# Altium PCB BaseBoard.PcbDoc (part 3 of 3)
Units mm, origin at the board's own origin, x right, y up, seen from the top; angles counter-clockwise.
Board outline 100 x 99.75 mm, 4 copper layers (Top Layer, Mid Layer 1, Mid Layer 2, Bottom Layer), stack 1.57 mm thick; 186 components, 158 nets, 693 pads, 406 vias.
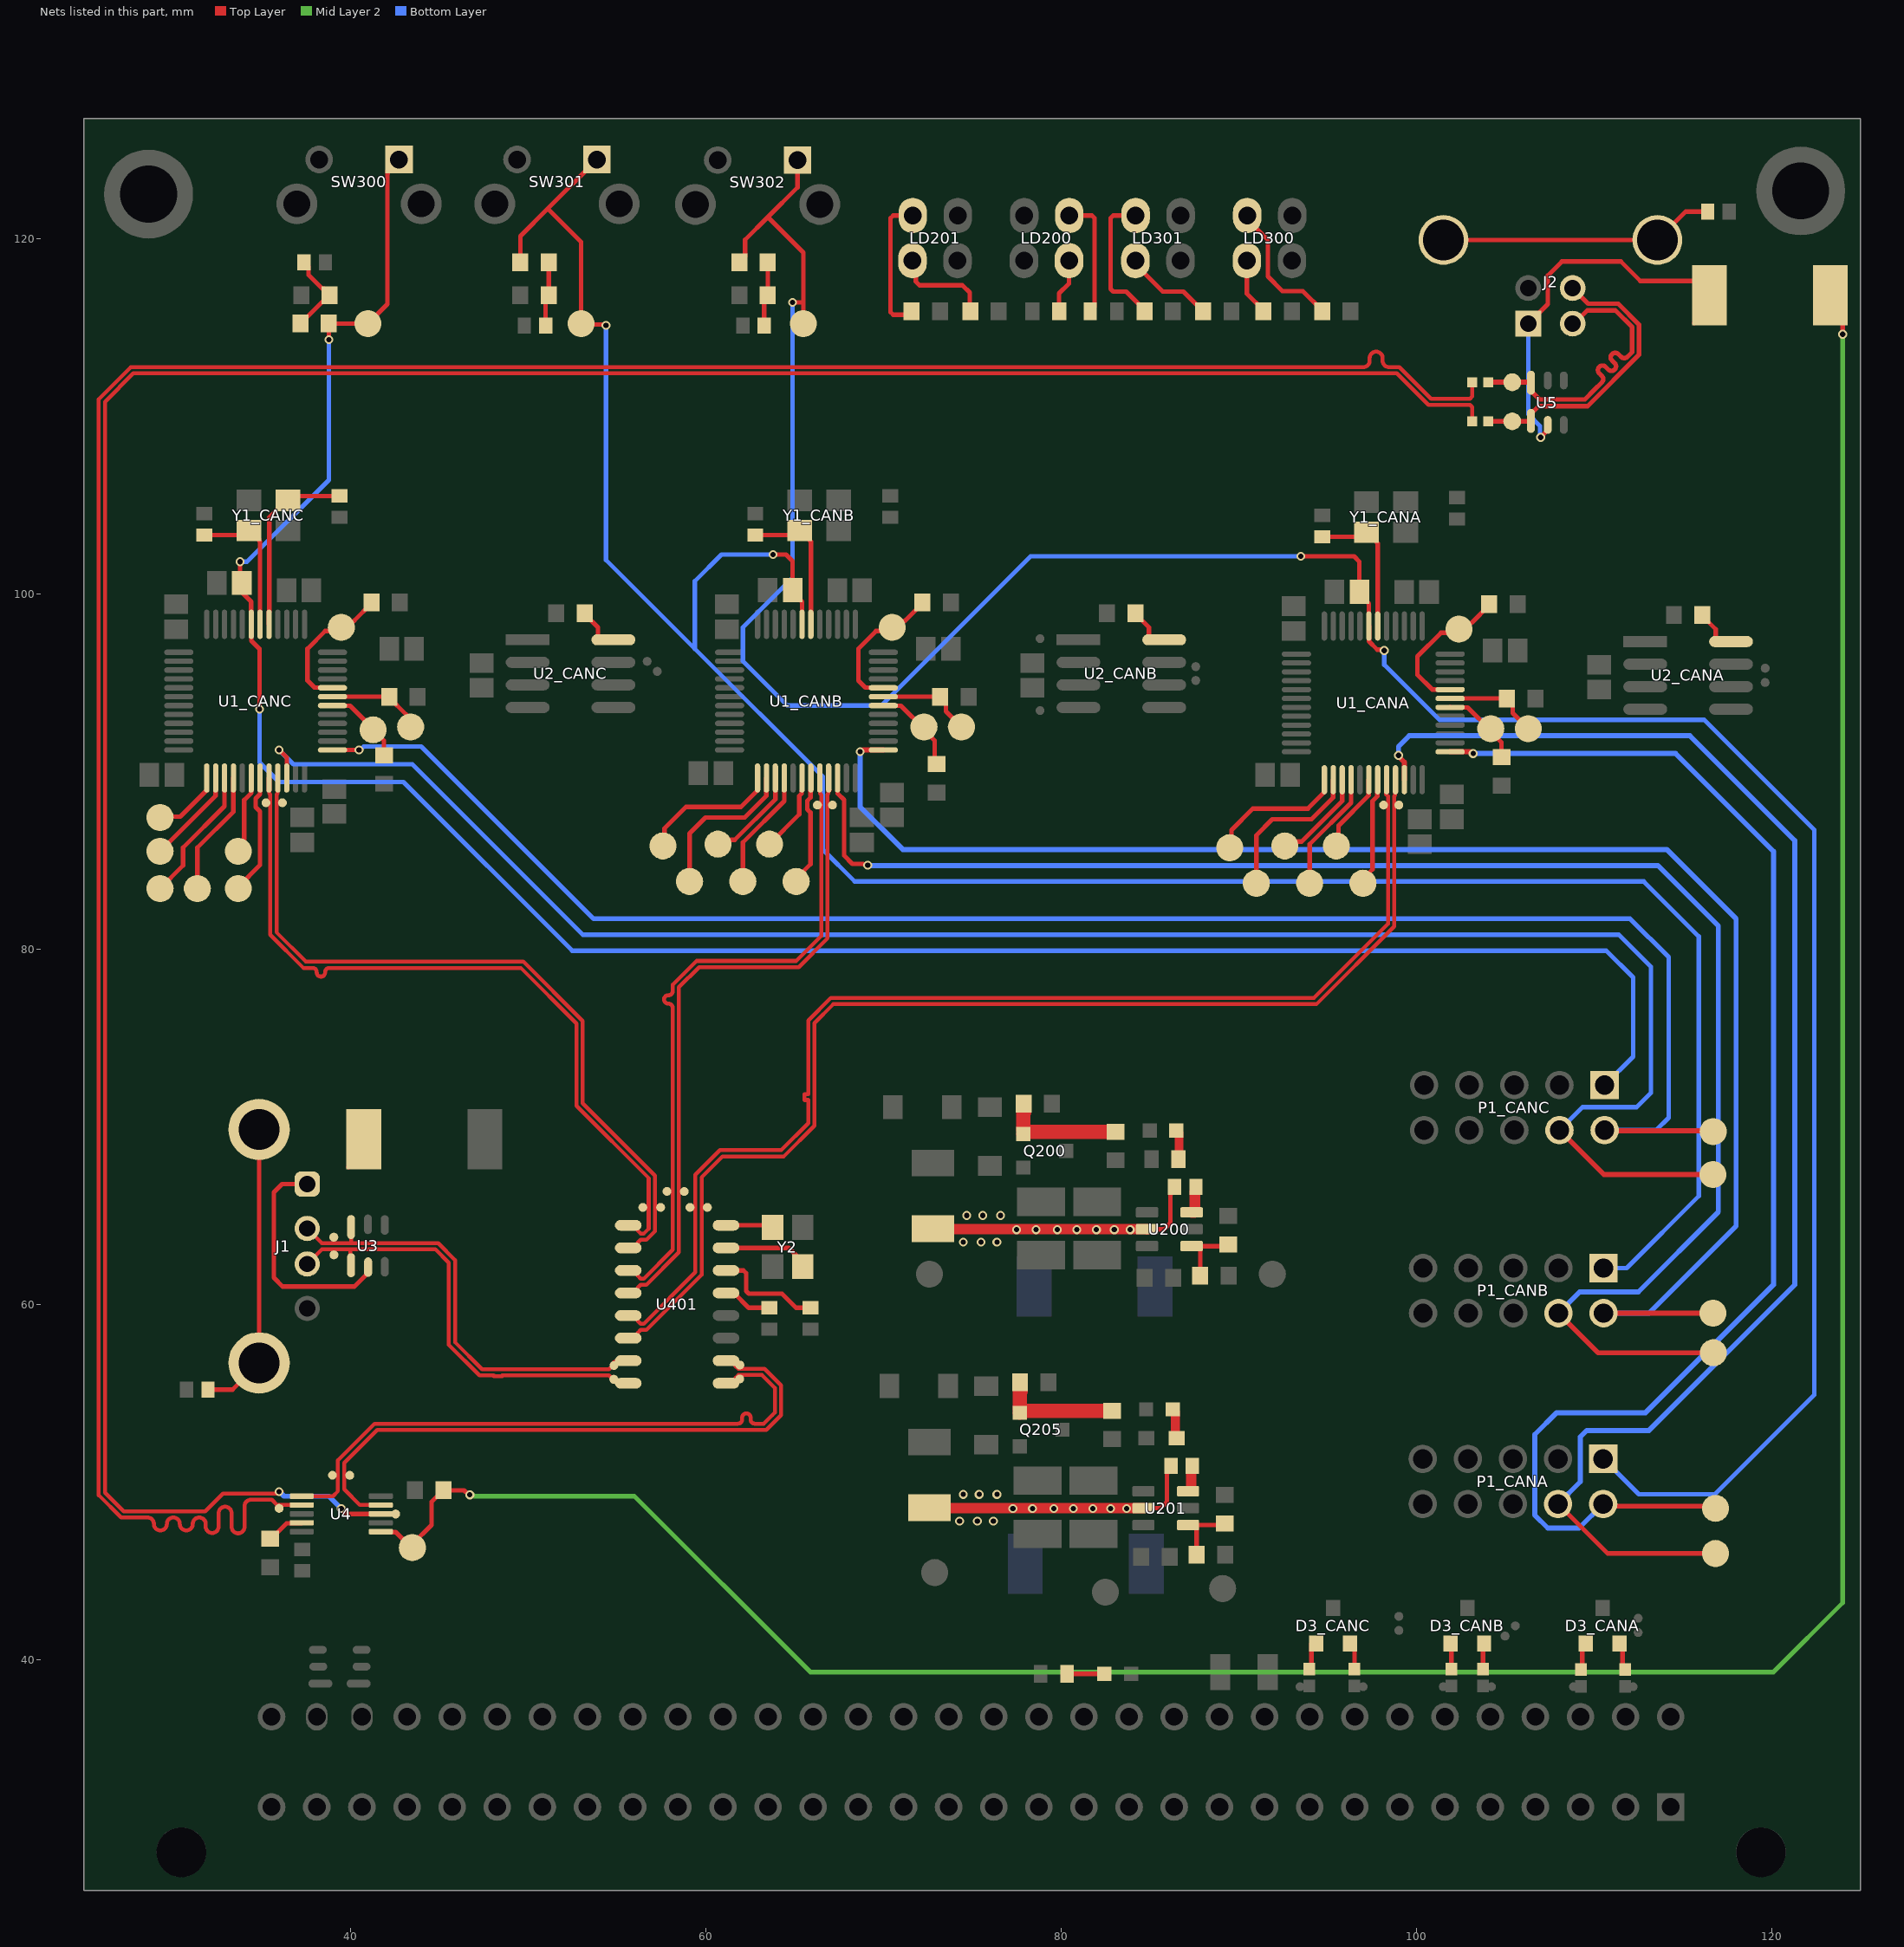
[diagram p5: the nets of this part, all layers, seen from the top]

## Via types
v1: diameter 0.5, hole 0.3, Top Layer to Bottom Layer, tented both sides, 392 vias
v2: diameter 0.5, hole 0.3, Top Layer to Bottom Layer, 14 vias

## Nets (pads, with @x,y where several pads share a name; then routed paths per layer and width w, separated by ;. In a path a pad name is that pad's centre, name@x,y a point inside that pad or via, vN(x,y) a via of type N, cw(c..) or ccw(c..) an arc to the next point about the centre after c; other vN are vias at no path point) (continued)
NetC2_CANC_1: C2_CANC.1 U1_CANC.5 Y1_CANC.1 | length 10.5
  Top Layer w0.254: U1_CANC.5@35.43,98.276 35.43,98.963 35.453,98.986 35.453,104.303 36.65,105.5 C2_CANC.1@39.4,105.5
NetC3_CANA_1: C3_CANA.1 U1_CANA.6 Y1_CANA.3 | length 8.2
  Top Layer w0.254: C3_CANA.1@94.7,103.2 96.95,103.2 Y1_CANA.3@97.2,103.45 97.3,103.45 97.773,102.977 97.773,102.885 97.83,102.828 97.83,101.562 97.831,101.561 97.831,101.039 97.83,101.038 U1_CANA.6@97.83,98.176
NetC3_CANB_1: C3_CANB.1 U1_CANB.6 Y1_CANB.3 | length 8.2
  Top Layer w0.254: C3_CANB.1@62.8,103.3 65.15,103.3 65.4,103.55 65.873,103.077 65.873,102.985 65.93,102.928 U1_CANB.6@65.93,98.276
NetC3_CANC_1: C3_CANC.1 U1_CANC.6 Y1_CANC.3 | length 8.2
  Top Layer w0.254: C3_CANC.1@31.8,103.3 34.05,103.3 Y1_CANC.3@34.3,103.55 34.4,103.55 34.873,103.077 34.873,102.985 34.93,102.928 U1_CANC.6@34.93,98.276
NetC11_2: C11.2 U401.14 | length 6.2
  Top Layer w0.254: U401.14@61.15,61.905 62.132,61.905 62.281,61.756 62.281,60.749 62.43,60.6 64.3,60.6 65.1,59.8 C11.2@65.9,59.8
NetC12_2: C12.2 U401.13 | length 2.8
  Top Layer w0.254: U401.13@61.15,60.635 61.6,60.635 62.435,59.8 C12.2@63.6,59.8
NetC13_2: C13.2 J1.Shell | length 16.6
  Top Layer w0.254: C13.2@32,55.2 33.372,55.2 J1.Shell@34.872,56.7 J1.Shell@34.872,69.84
NetC14_2: C14.2 J2.5 J2.6 | length 15.5
  Top Layer w0.254: J2.5@101.53,119.91 J2.6@113.57,119.91 115.16,121.5 C14.2@116.4,121.5
NetC309_1: C309.1 R302.1 R305.2 | length 4.9
  Top Layer w0.254: R305.2@37.2,115.2 37.2,115.25 37.523,115.573 37.573,115.573 38.432,116.432 38.524,116.432 38.847,116.755 R302.1@38.847,116.805 38.847,116.855 38.524,117.178 38.424,117.178 37.658,117.945 37.658,118.411 C309.1@37.41,118.659
NetC310_1: C310.1 R303.1 R306.2 | length 3.6
  Top Layer w0.254: C310.1@51,115.1 51,116.63 R303.1@51.175,116.805 R306.2@51.175,118.659
NetC311_1: C311.1 R304.1 R307.2 | length 3.6
  Top Layer w0.254: C311.1@63.3,115.1 63.3,116.6 R304.1@63.505,116.805 R307.2@63.505,118.659
NetD1_1: D1.1 J1.1 U3.5 | length 15
  Top Layer w0.254: J1.1@37.582,66.77 36.17,66.77 35.7,66.3 35.7,61.5 36.2,61 40.242,61 41.009,61.767 U3.5@41.009,62.092 ; D1.1@39.914,67.732 40.767,68.585 D1.1@40.767,69.3
NetD2_1: D2.1 R4.2 TP17.1 U4.1 | length 163.8
  Top Layer w0.254: U4.1@41.725,47.2 41.748,47.177 42.561,47.177 43.238,46.5 43.5,46.5 44.577,47.577 44.577,48.877 R4.2@44.9,49.2 ; R4.2@45.254,49.53 46.415,49.53 46.669,49.276 v1(46.736,49.276) ; D2.1@123.305,116.8 124,116.105 v1(124,114.6)
  Mid Layer 2 w0.254: v1(46.736,49.276) 46.783,49.229 46.957,49.229 46.986,49.2 56,49.2 65.9,39.3 120.1,39.3 124,43.2 v1(124,114.6)
NetD3_CANA_1: D3_CANA.1 R7_CANA.1 | length 1.6
  Top Layer w0.254: R7_CANA.1@109.271,39.439 109.337,39.504 109.337,40.707 D3_CANA.1@109.54,40.91
NetD3_CANA_2: D3_CANA.2 R6_CANA.1 | length 1.6
  Top Layer w0.254: D3_CANA.2@111.44,40.91 111.61,40.74 111.61,39.589 R6_CANA.1@111.76,39.439
NetD3_CANB_1: D3_CANB.1 R7_CANB.1 | length 1.5
  Top Layer w0.254: D3_CANB.1@101.92,40.91 101.981,40.849 R7_CANB.1@101.981,39.464
NetD3_CANB_2: D3_CANB.2 R6_CANB.1 | length 1.5
  Top Layer w0.254: R6_CANB.1@103.759,39.464 103.759,40.849 D3_CANB.2@103.82,40.91
NetD3_CANC_1: D3_CANC.1 R7_CANC.1 | length 1.7
  Top Layer w0.254: R7_CANC.1@93.98,39.591 94.105,39.716 94.105,40.887 D3_CANC.1@94.366,41.148
NetD3_CANC_2: D3_CANC.2 R6_CANC.1 | length 1.7
  Top Layer w0.254: D3_CANC.2@96.266,41.148 96.52,40.894 R6_CANC.1@96.52,39.591
NetD200_1: D200.1 R206.2 | length 2.1
  Top Layer w0.254: R206.2@80.35,39.2 D200.1@82.45,39.2
NetD201_1: D201.1 R207.2 | length 1.7
  Top Layer w0.5: D201.1@86.496,69.785 86.646,69.635 86.646,69.158 ; R207.2@86.646,68.173 86.646,69.157
NetD202_1: D202.1 R208.2 | length 1.7
  Top Layer w0.5: D202.1@86.296,54.085 86.446,53.935 86.446,53.458 ; R208.2@86.446,52.473 86.446,53.457
NetLD200_2: LD200.2 R209.2 | length 6.8
  Top Layer w0.254: LD200.2@80.472,121.286 81.751,121.286 81.9,121.137 81.9,116.422 81.898,116.42 81.898,116.148 R209.2@81.65,115.9
NetLD200_4: LD200.4 R210.2 | length 3.1
  Top Layer w0.254: R210.2@79.9,115.9 79.9,116.9 80.455,117.455 LD200.4@80.455,118.746
NetLD201_1: LD201.1 R212.2 | length 7.9
  Top Layer w0.254: R212.2@71.6,115.9 71.4,115.7 70.563,115.7 70.414,115.849 70.414,121.137 70.563,121.286 LD201.1@71.664,121.286
NetLD201_3: LD201.3 R211.2 | length 5.6
  Top Layer w0.254: LD201.3@71.647,118.746 71.832,118.562 71.832,117.568 72.041,117.359 74.46,117.359 74.868,116.951 74.868,115.932 R211.2@74.9,115.9
NetLD300_1: LD300.1 R310.2 | length 7.8
  Top Layer w0.254: LD300.1@90.481,121.286 90.481,121.086 91.645,119.922 91.645,117.855 92.465,117.035 93.615,117.035 94.7,115.95 R310.2@94.7,115.9
NetLD300_3: LD300.3 R309.2 | length 3.2
  Top Layer w0.254: LD300.3@90.464,118.746 90.464,116.886 91.4,115.95 R309.2@91.4,115.9
NetLD301_1: LD301.1 R312.2 | length 7.9
  Top Layer w0.254: LD301.1@84.208,121.286 82.949,121.286 82.8,121.137 82.8,117.149 82.949,117 83.673,117 R312.2@84.377,116.296 ; R312.2@84.377,116.273 84.726,115.924 R312.2@84.749,115.924
NetLD301_3: LD301.3 R311.2 | length 4.7
  Top Layer w0.254: LD301.3@84.33,118.408 85.738,117 86.9,117 87.627,116.273 87.677,116.273 88,115.95 R311.2@88,115.9
NetQ200_1: Q200.1 R203.2 R218.1 | length 6.2
  Top Layer w0.8: Q200.1@77.891,69.592 77.998,69.699 R218.1@83.069,69.699 ; Q200.1@77.891,69.811 77.891,70.757 R203.2@77.935,70.801
NetQ205_1: Q205.1 R216.2 R217.1 | length 6.2
  Top Layer w0.8: Q205.1@77.691,53.892 77.798,53.999 R217.1@82.869,53.999 ; Q205.1@77.691,54.111 77.691,55.057 R216.2@77.735,55.101
NetR1_CANA_2: R1_CANA.2 TP3_CANA.1 U1_CANA.42 | length 4.7
  Top Layer w0.254: U1_CANA.42@101.905,93.601 101.914,93.592 102.896,93.592 TP3_CANA.1@104.194,92.294 ; TP3_CANA.1@104.194,92.4 TP3_CANA.1@104.194,92.294 ; R1_CANA.2@104.8,90.802 104.8,91.631 104.194,92.237 TP3_CANA.1@104.194,92.294
NetR1_CANB_2: R1_CANB.2 TP3_CANB.1 U1_CANB.42 | length 4.7
  Top Layer w0.254: U1_CANB.42@70.005,93.701 70.014,93.692 70.996,93.692 TP3_CANB.1@72.294,92.394 ; TP3_CANB.1@72.294,92.5 TP3_CANB.1@72.294,92.394 ; 72.9,90.902 72.9,91.731 72.294,92.337 TP3_CANB.1@72.294,92.394
NetR1_CANC_2: R1_CANC.2 TP3_CANC.1 U1_CANC.42 | length 4.7
  Top Layer w0.254: U1_CANC.42@39.005,93.701 39.014,93.692 39.996,93.692 TP3_CANC.1@41.294,92.394 ; TP3_CANC.1@41.294,92.5 TP3_CANC.1@41.294,92.394 ; R1_CANC.2@41.9,90.902 41.9,91.731 TP3_CANC.1@41.294,92.337 TP3_CANC.1@41.294,92.394
NetR2_CANA_2: R2_CANA.2 TP4_CANA.1 U1_CANA.43 | length 5.4
  Top Layer w0.254: U1_CANA.43@101.905,94.101 R2_CANA.2@105.1,94.1 ; R2_CANA.2@105.1,94.1 105.423,93.777 105.423,93.277 TP4_CANA.1@106.3,92.4
NetR2_CANB_2: R2_CANB.2 TP4_CANB.1 U1_CANB.43 | length 5.4
  Top Layer w0.254: U1_CANB.43@70.005,94.201 R2_CANB.2@73.2,94.2 ; R2_CANB.2@73.2,94.2 73.523,93.877 73.523,93.377 TP4_CANB.1@74.4,92.5
NetR2_CANC_2: R2_CANC.2 TP4_CANC.1 U1_CANC.43 | length 5.4
  Top Layer w0.254: U1_CANC.43@39.005,94.201 R2_CANC.2@42.2,94.2 ; R2_CANC.2@42.2,94.2 42.2,94.15 43.157,93.193 43.157,92.743 TP4_CANC.1@43.4,92.5
NetR4_CANA_2: R4_CANA.2 TP11_CANA.1 U1_CANA.44 | length 8.2
  Top Layer w0.254: U1_CANA.44@101.905,94.601 101.896,94.609 100.891,94.609 100.069,95.431 100.069,96.469 101.396,97.796 TP11_CANA.1@102.196,97.796 ; TP11_CANA.1@102.4,98 102.744,98 103.123,98.379 103.129,98.379 104.1,99.35 R4_CANA.2@104.1,99.4
NetR4_CANB_2: R4_CANB.2 TP11_CANB.1 U1_CANB.44 | length 7.8
  Top Layer w0.254: U1_CANB.44@70.005,94.701 69.996,94.709 68.991,94.709 68.6,95.1 68.6,96.9 69.596,97.896 TP11_CANB.1@70.296,97.896 ; TP11_CANB.1@70.5,98.1 70.844,98.1 71.223,98.479 71.229,98.479 72.2,99.45 R4_CANB.2@72.2,99.5
NetR4_CANC_2: R4_CANC.2 TP11_CANC.1 U1_CANC.44 | length 7.8
  Top Layer w0.254: U1_CANC.44@39.005,94.701 38.996,94.709 37.991,94.709 37.6,95.1 37.6,96.9 38.596,97.896 TP11_CANC.1@39.296,97.896 ; TP11_CANC.1@39.5,98.1 39.844,98.1 40.223,98.479 40.229,98.479 41.2,99.45 R4_CANC.2@41.2,99.5
NetR5_2: R5.2 U4.9 | length 2.1
  Top Layer w0.254: R5.2@35.5,46.8 35.55,46.8 36.427,47.677 37.252,47.677 U4.9@37.275,47.7
NetTP1_CANA_1: TP1_CANA.1 U1_CANA.30 | length 4.5
  Top Layer w0.254: TP1_CANA.1@95.5,85.8 95.619,85.919 95.619,86.943 97.321,88.646 97.321,89.517 U1_CANA.30@97.33,89.526
NetTP1_CANB_1: TP1_CANB.1 U1_CANB.30 | length 4.5
  Top Layer w0.254: TP1_CANB.1@63.6,85.9 65.278,87.578 65.278,88.624 65.407,88.753 65.407,88.915 65.43,88.938 U1_CANB.30@65.43,89.626
NetTP1_CANC_1: TP1_CANC.1 U1_CANC.30 | length 4.4
  Top Layer w0.254: TP1_CANC.1@33.7,85.5 33.7,85.844 34.036,86.18 34.036,88.382 34.407,88.753 34.407,88.786 34.421,88.8 34.421,89.617 U1_CANC.30@34.43,89.626
NetTP2_CANA_1: TP2_CANA.1 U1_CANA.31 | length 6.2
  Top Layer w0.254: TP2_CANA.1@97,83.7 97,83.948 97.536,84.484 97.536,88.322 97.807,88.593 97.807,88.815 97.83,88.838 U1_CANA.31@97.83,89.526
NetTP2_CANB_1: TP2_CANB.1 U1_CANB.31 | length 6.3
  Top Layer w0.254: TP2_CANB.1@65.1,83.8 65.1,83.967 65.907,84.774 65.907,87.675 65.719,87.863 65.719,88.341 65.907,88.53 65.907,88.915 65.93,88.938 U1_CANB.31@65.93,89.626
NetTP2_CANC_1: TP2_CANC.1 U1_CANC.31 | length 6.8
  Top Layer w0.254: TP2_CANC.1@33.7,83.5 34.93,84.73 34.93,87.745 34.685,87.99 34.685,88.468 34.927,88.71 34.927,89.623 U1_CANC.31@34.93,89.626
NetTP5_CANA_1: TP5_CANA.1 U1_CANA.25 | length 7.8
  Top Layer w0.254: TP5_CANA.1@89.5,85.7 89.594,85.794 89.594,86.694 90.8,87.9 93.9,87.9 94.807,88.807 94.807,88.815 94.83,88.838 U1_CANA.25@94.83,89.526
NetTP5_CANB_1: TP5_CANB.1 U1_CANB.25 | length 7.8
  Top Layer w0.254: TP5_CANB.1@57.6,85.8 57.694,85.894 57.694,86.794 58.9,88 62,88 62.907,88.907 62.907,88.915 62.93,88.938 U1_CANB.25@62.93,89.626
NetTP5_CANC_1: TP5_CANC.1 U1_CANC.25 | length 4
  Top Layer w0.254: TP5_CANC.1@29.3,87.4 29.343,87.443 30.443,87.443 31.907,88.907 31.907,88.915 31.93,88.938 U1_CANC.25@31.93,89.626
NetTP6_CANA_1: TP6_CANA.1 U1_CANA.26 | length 8.9
  Top Layer w0.254: TP6_CANA.1@91,83.7 91,86.4 91.9,87.3 94.1,87.3 95.321,88.521 95.321,89.517 U1_CANA.26@95.33,89.526
NetTP6_CANB_1: TP6_CANB.1 U1_CANB.26 | length 8.9
  Top Layer w0.254: TP6_CANB.1@59.1,83.8 59.1,86.5 60,87.4 62.2,87.4 63.421,88.621 63.421,89.617 U1_CANB.26@63.43,89.626
NetTP6_CANC_1: TP6_CANC.1 U1_CANC.26 | length 5.4
  Top Layer w0.254: TP6_CANC.1@29.3,85.5 32.43,88.63 U1_CANC.26@32.43,89.626 U1_CANC.26@32.421,89.617
NetTP7_CANA_1: TP7_CANA.1 U1_CANA.27 | length 5.5
  Top Layer w0.254: TP7_CANA.1@92.6,85.8 92.843,86.043 93.543,86.043 95.83,88.33 U1_CANA.27@95.83,89.526
NetTP7_CANB_1: TP7_CANB.1 U1_CANB.27 | length 5.5
  Top Layer w0.254: TP7_CANB.1@60.7,85.9 60.943,86.143 61.643,86.143 63.93,88.43 U1_CANB.27@63.93,89.626
NetTP7_CANC_1: TP7_CANC.1 U1_CANC.27 | length 7.7
  Top Layer w0.254: TP7_CANC.1@29.3,83.4 30.6,84.7 30.6,85.7 32.93,88.03 U1_CANC.27@32.93,89.626
NetTP8_CANA_1: TP8_CANA.1 U1_CANA.28 | length 6.8
  Top Layer w0.254: TP8_CANA.1@94,83.7 94,85.9 96.33,88.23 U1_CANA.28@96.33,89.526
NetTP8_CANB_1: TP8_CANB.1 U1_CANB.28 | length 6.8
  Top Layer w0.254: TP8_CANB.1@62.1,83.8 62.1,86 64.43,88.33 U1_CANB.28@64.43,89.626
NetTP8_CANC_1: TP8_CANC.1 U1_CANC.28 | length 7
  Top Layer w0.254: TP8_CANC.1@31.4,83.5 31.4,85.7 33.43,87.73 U1_CANC.28@33.43,89.626
NetU401_15: U401.15 Y2.1 | length 4.9
  Top Layer w0.254: U401.15@61.15,63.175 64.675,63.175 65.55,62.3 Y2.1@65.55,62.2
NetU401_16: U401.16 Y2.3 | length 2.8
  Top Layer w0.254: U401.16@61.05,64.445 U401.16@61.15,64.445 63.655,64.445 Y2.3@63.773,64.327
NRST_CANA: C1_CANA.2 P1_CANA.1 R307.1 SW302.1 TP302.1 U1_CANA.7 | length 156.7
  Top Layer w0.254: R307.1@61.905,118.659 62.228,118.982 62.228,119.921 63.504,121.196 ; v1(64.9,116.4) 65.5,116.4 ; SW302.1@65.18,124.409 65.18,122.873 63.504,121.196 ; TP302.1@65.5,115.2 65.5,116.4 ; v1(93.5,102.1) 96.5,102.1 96.8,101.8 C1_CANA.2@96.8,100.1 96.8,99.975 97.33,99.445 U1_CANA.7@97.33,98.176 97.339,98.167 97.339,97.317 97.809,96.847 98.153,96.847 v1(98.2,96.8) ; 63.504,121.196 65.5,119.2 65.5,116.4
  Bottom Layer w0.254: v1(64.9,116.4) 64.9,100.9 62.1,98.1 62.1,96.2 64.6,93.7 69.9,93.7 78.3,102.1 v1(93.5,102.1) ; v1(98.2,96.8) 98.2,96 101.3,92.9 116.2,92.9 122.4,86.7 122.4,54.9 116.8,49.3 112.52,49.3 P1_CANA.1@110.52,51.3
NRST_CANB: C1_CANB.2 P1_CANB.1 R306.1 SW301.1 TP301.1 U1_CANB.7 | length 137.7
  Top Layer w0.254: R306.1@49.575,118.659 49.575,120.127 51.124,121.676 ; SW301.1@53.89,124.442 51.124,121.676 ; v1(54.4,115.1) 54.353,115.147 53.147,115.147 53.1,115.1 TP301.1@53,115.2 53,119.8 51.124,121.676 ; v1(63.8,102.2) 64.533,102.2 64.9,101.833 C1_CANB.2@64.9,100.2 64.9,100.075 65.43,99.545 U1_CANB.7@65.43,98.276
  Bottom Layer w0.254: v1(54.4,115.1) 54.4,101.9 59.4,96.9 ; v1(63.8,102.2) 60.9,102.2 59.4,100.7 59.4,96.9 ; P1_CANB.1@110.54,62.04 111.84,62.04 115.9,66.1 115.9,80.7 112.8,83.8 68.4,83.8 66.6,85.6 66.6,89.7 59.4,96.9
NRST_CANC: C1_CANC.2 P1_CANC.1 R305.1 SW300.1 TP300.1 U1_CANC.7 | length 128.3
  Top Layer w0.254: C1_CANC.2@33.8,100.175 34.43,99.545 U1_CANC.7@34.43,98.276 34.439,98.267 34.439,97.354 34.9,96.892 v1(34.9,93.5) ; C1_CANC.2@33.8,100.575 v1(33.8,101.8) ; v1(38.8,114.3) R305.1@38.8,115.2 TP300.1@41,115.2 42.1,116.3 42.1,123.645 42.102,123.647 42.102,123.794 SW300.1@42.75,124.442
  Bottom Layer w0.254: v1(33.8,101.8) 34.2,101.8 38.8,106.4 v1(38.8,114.3) ; v1(34.9,93.5) 34.9,90.5 36,89.4 43,89.4 52.5,79.9 110.7,79.9 112.2,78.4 112.2,73.94 P1_CANC.1@110.6,72.34
Panel_VBUS: D2.2 J2.1 U5.5 | length 22.9
  Top Layer w0.254: J2.1@106.3,115.2 107.4,116.3 107.4,117.072 ; v1(107.002,108.799) 107.002,108.813 107.4,109.211 U5.5@107.4,109.5 ; 107.4,117.073 107.403,117.124 ccw(c106.3,117.2) 107.401,117.307 107.395,117.788 107.395,117.895 108.2,118.7 111.509,118.7 112.609,117.6 115.695,117.6 D2.2@116.495,116.8 116.495,116.085 D2.2@115.642,115.232
  Bottom Layer w0.254: J2.1@106.3,115.2 106.3,110.1 106.97,109.43 106.97,108.83 v1(107.002,108.799)
RS1_CANA: R3_CANA.2 U2_CANA.8 | length 1.9
  Top Layer w0.254: R3_CANA.2@116.1,98.8 116.1,98.75 116.853,97.997 116.853,97.475 U2_CANA.8@117.023,97.305
RS1_CANB: R3_CANB.2 U2_CANB.8 | length 1.9
  Top Layer w0.254: R3_CANB.2@84.2,98.9 84.2,98.85 84.953,98.097 84.953,97.575 U2_CANB.8@85.123,97.405
RS1_CANC: R3_CANC.2 U2_CANC.8 | length 1.9
  Top Layer w0.254: R3_CANC.2@53.2,98.9 53.2,98.85 53.953,98.097 53.953,97.575 U2_CANC.8@54.123,97.405
SW_3V3: C205.2 L201.1 U201.2 | length 15.5
  Top Layer w0.254: U201.2@84.646,48.523 85.613,48.523 85.96,48.87 85.96,49.616 85.965,49.621 85.965,50.475 C205.2@86.21,50.719
  Top Layer w0.6: L201.1@72.6,48.55 72.622,48.528 77.3,48.528 79.6,48.528 84.641,48.528 U201.2@84.646,48.523
  other v1: 74.3,47.8 75.3,47.8 76.2,47.8 77.3,48.5 78.4,48.5 79.6,48.5 80.7,48.5 81.8,48.5 82.8,48.5 83.7,48.5 74.5,49.3 75.4,49.3 76.4,49.3
SW_5V: C200.2 L200.1 U200.2 | length 15.5
  Top Layer w0.254: U200.2@84.846,64.223 85.813,64.223 86.16,64.57 86.16,65.316 86.165,65.321 86.165,66.175 C200.2@86.41,66.419
  Top Layer w0.6: L200.1@72.8,64.25 72.822,64.228 77.5,64.228 79.8,64.228 84.841,64.228 U200.2@84.846,64.223
  other v1: 74.5,63.5 75.5,63.5 76.4,63.5 77.5,64.2 78.6,64.2 79.8,64.2 80.9,64.2 82,64.2 83,64.2 83.9,64.2 74.7,65 75.6,65 76.6,65
SWCLK_CANA: P1_CANA.2 TP9_CANA.1 U1_CANA.37 | length 77.5
  Top Layer w0.254: P1_CANA.2@110.52,48.76 110.643,48.637 116.717,48.637 TP9_CANA.1@116.84,48.514
  Top Layer w0.286: U1_CANA.37@101.905,91.101 101.908,91.098 103.044,91.098 103.142,91 v1(103.2,91) ; P1_CANA.2@110.51,48.75 P1_CANA.2@110.52,48.76
  Bottom Layer w0.286: v1(103.2,91) 114.6,91 120.1,85.5 120.1,61.1 112.9,53.9 107.9,53.9 106.673,52.673 106.673,48.127 107.4,47.4 109.16,47.4 P1_CANA.2@110.52,48.76
SWCLK_CANB: P1_CANB.2 TP9_CANB.1 U1_CANB.37 | length 89.3
  Top Layer w0.286: v1(68.7,91.1) 68.758,91.1 68.856,91.198 70.002,91.198 U1_CANB.37@70.005,91.201 ; P1_CANB.2@110.54,59.5 TP9_CANB.1@116.7,59.5
  Bottom Layer w0.286: v1(68.7,91.1) 68.7,88 71.1,85.6 114.1,85.6 118,81.7 118,64.4 113.1,59.5 P1_CANB.2@110.54,59.5
SWCLK_CANC: P1_CANC.2 TP9_CANC.1 U1_CANC.37 | length 99.3
  Top Layer w0.254: U1_CANC.37@39.005,91.201 v1(40.5,91.2)
  Top Layer w0.286: P1_CANC.2@110.6,69.8 110.639,69.761 116.67,69.761 TP9_CANC.1@116.709,69.721
  Bottom Layer w0.254: v1(40.5,91.2) 40.567,91.2 40.767,91.4 44,91.4 53.7,81.7 112.039,81.7 114.2,79.539 114.2,70.5 113.5,69.8 P1_CANC.2@110.6,69.8
SWDIO_CANA: P1_CANA.4 TP10_CANA.1 U1_CANA.34 | length 81.9
  Top Layer w0.254: P1_CANA.4@107.98,48.76 110.766,45.974 TP10_CANA.1@116.84,45.974
  Top Layer w0.286: v1(99,90.9) 99,90.842 99.327,90.515 99.327,89.528 U1_CANA.34@99.33,89.526
  Bottom Layer w0.286: v1(99,90.9) 99,91.4 99.6,92 115.4,92 121.3,86.1 121.3,61.1 113.1,52.9 109.6,52.9 109.236,52.536 109.236,50.016 P1_CANA.4@107.98,48.76
SWDIO_CANB: P1_CANB.4 TP10_CANB.1 U1_CANB.34 | length 92.5
  Top Layer w0.254: U1_CANB.34@67.43,89.626 67.439,89.617 67.439,88.752 67.798,88.393 67.798,85.263 68.268,84.793 68.875,84.793 68.906,84.762 69.056,84.762 v1@69.115,84.702
  Top Layer w0.286: v1@69.115,84.702 v1(69.127,84.715) ; P1_CANB.4@108,59.5 110.23,57.27 TP10_CANB.1@116.722,57.27
  Bottom Layer w0.286: v1@69.127,84.7 113.6,84.7 117,81.3 117,65.2 112.497,60.697 109.197,60.697 P1_CANB.4@108,59.5
SWDIO_CANC: P1_CANC.4 TP10_CANC.1 U1_CANC.34 | length 106.8
  Top Layer w0.254: v1(36,91.2) 36.008,91.2 36.43,90.778 U1_CANC.34@36.43,89.626
  Top Layer w0.286: P1_CANC.4@108.06,69.8 110.56,67.3 TP10_CANC.1@116.7,67.3
  Bottom Layer w0.254: v1(36,91.2) 36.8,90.4 43.5,90.4 53.1,80.8 111.4,80.8 113.2,79 113.2,71.9 112.4,71.1 109.36,71.1 P1_CANC.4@108.06,69.8
U1_OUT_N: pad.8@59.126,65.453 pad.8@98.16,88.099 U1_CANA.32 U401.5 | length 68.3
  Top Layer w0.221: U401.5@55.65,59.365 55.997,59.365 56.173,59.19 56.173,59.079 56.348,58.904 56.531,58.904 59.429,61.802 59.429,67.287 60.816,68.674 64.262,68.674 65.786,70.198 65.786,71.388 65.786,71.498 65.57,71.498 65.57,71.839 65.786,71.839 65.786,73.66 65.786,75.978 67.045,77.237 94.237,77.237 98.406,81.406 98.406,88.594 98.29,88.71 U1_CANA.32@98.29,89.625
  Top Layer w0.286: U401.5@55.633,59.383 U401.5@55.65,59.365 ; U1_CANA.32@98.33,89.526 98.333,89.523 98.333,88.838 U1_CANA.32@98.335,88.835
U1_OUT_P: pad.8@60.102,65.453 pad.8@99.017,88.099 U1_CANA.33 U401.6 | length 68.3
  Top Layer w0.221: U401.6@55.65,58.095 55.997,58.095 56.173,58.27 56.173,58.381 56.348,58.556 56.675,58.556 59.777,61.658 59.777,67.143 60.96,68.326 64.406,68.326 66.134,70.054 66.134,75.834 67.189,76.889 94.38,76.889 98.754,81.262 98.754,88.594 98.815,88.655 98.815,89.51 U1_CANA.33@98.827,89.523
  Top Layer w0.286: U401.6@55.648,58.098 U401.6@55.65,58.095 ; U1_CANA.33@98.824,88.835 98.827,88.838 U1_CANA.33@98.827,89.523
U2_OUT_N: pad.8@57.828,66.355 pad.8@66.296,88.102 U1_CANB.32 U401.3 | length 37.3
  Top Layer w0.221: U401.3@55.65,61.905 55.997,61.905 56.173,61.73 56.173,61.619 56.348,61.444 56.531,61.444 58.152,63.065 58.152,76.574 58.152,76.685 ccw(c57.915,76.685) 57.915,76.922 57.902,76.922 cw(c57.902,77.159) 57.665,77.159 cw(c57.902,77.159) 57.902,77.397 57.915,77.397 ccw(c57.915,77.634) 58.152,77.634 58.152,77.988 58.756,78.592 59.491,79.327 65.103,79.327 66.516,80.74 66.516,88.685 66.445,88.755 66.445,89.61 U1_CANB.32@66.43,89.626
  Top Layer w0.286: U401.3@55.648,61.903 U401.3@55.65,61.905
U2_OUT_P: pad.8@58.802,66.348 pad.8@67.145,88.102 U1_CANB.33 U401.4 | length 37.3
  Top Layer w0.221: U401.4@55.65,60.635 55.997,60.635 56.173,60.81 56.173,60.921 56.348,61.096 56.675,61.096 58.5,62.921 58.5,77.844 59.635,78.979 65.247,78.979 66.863,80.596 66.863,88.704 66.915,88.755 U1_CANB.33@66.915,88.947
  Top Layer w0.286: U1_CANB.33@66.93,89.626 66.93,88.947 U1_CANB.33@66.937,88.94
U3_OUT_N: pad.8@35.262,88.229 pad.8@56.471,65.453 U1_CANC.32 U401.1 | length 43.5
  Top Layer w0.221: U1_CANC.32@35.445,88.947 35.445,88.755 35.506,88.694 35.506,80.794 37.365,78.935 37.439,78.935 37.879,78.935 cw(c37.879,78.698) 38.117,78.698 38.117,78.682 ccw(c38.354,78.682) 38.354,78.445 ccw(c38.354,78.682) 38.591,78.682 38.591,78.698 cw(c38.829,78.698) 38.829,78.935 38.939,78.935 49.605,78.935 52.738,75.802 52.738,71.167 56.8,67.106 56.8,64.253 56.531,63.984 56.348,63.984 56.173,64.159 56.173,64.27 55.997,64.445 U401.1@55.65,64.445
  Top Layer w0.286: U1_CANC.32@35.423,88.94 35.43,88.947 U1_CANC.32@35.43,89.626
U3_OUT_P: pad.8@36.186,88.229 pad.8@57.472,65.453 U1_CANC.33 U401.2 | length 43.5
  Top Layer w0.221: U1_CANC.33@35.93,89.626 35.915,89.61 35.915,88.755 35.854,88.694 35.854,80.938 37.509,79.283 49.749,79.283 53.086,75.946 53.086,71.311 57.148,67.25 57.148,64.109 56.675,63.636 56.348,63.636 56.173,63.461 56.173,63.35 55.997,63.175 U401.2@55.65,63.175
UP_IN_N: pad.8@36.004,48.514 Rb1.2 U4.7 | length 160.7
  Top Layer w0.221: U4.7@37.272,48.703 37.27,48.7 35.889,48.7 35.589,49 34.53,49 34.42,49 ccw(c34.42,48.636) 34.056,48.636 34.056,47.472 cw(c33.691,47.472) 33.691,47.107 cw(c33.691,47.472) 33.327,47.472 33.327,48.242 ccw(c32.963,48.242) 32.963,48.607 ccw(c32.963,48.242) 32.598,48.242 32.598,47.49 cw(c32.234,47.49) 32.234,47.126 cw(c32.234,47.49) 31.87,47.49 31.87,47.636 ccw(c31.505,47.636) 31.505,48 ccw(c31.505,47.636) 31.141,47.636 cw(c30.777,47.636) 30.777,47.271 cw(c30.777,47.636) 30.413,47.636 ccw(c30.048,47.636) 30.048,48 ccw(c30.048,47.636) 29.684,47.636 cw(c29.32,47.636) 29.32,47.271 cw(c29.32,47.636) 28.955,47.636 ccw(c28.591,47.636) 28.591,48 27.368,48 27.108,48 25.852,49.256 25.852,110.944 27.656,112.748 96.901,112.748 97.011,112.748 ccw(c97.011,113.112) 97.376,113.112 97.376,113.259 cw(c97.74,113.259) 97.74,113.623 cw(c97.74,113.259) 98.104,113.259 98.104,113.112 ccw(c98.468,113.112) 98.468,112.748 99.052,112.748 99.314,112.486 100.826,110.974 103.021,110.974 103.15,111.103 Rb1.2@103.15,111.9
  Top Layer w0.286: U4.7@37.272,48.703 U4.7@37.275,48.7
UP_IN_P: pad.8@42.561,48.193 Rb2.2 U4.3 | length 157.7
  Top Layer w0.221: v2@36.144,49.458 36.034,49.348 32.848,49.348 31.848,48.348 27.252,48.348 26.2,49.4 26.2,110.8 27.8,112.4 98.908,112.4 100.682,110.626 103.021,110.626 103.15,110.497 Rb2.2@103.15,109.7
  Top Layer w0.286: v1(39.5,48.5) 39.8,48.2 U4.3@41.725,48.2
  Bottom Layer w0.286: v2(36,49.458) 36.017,49.458 36.275,49.2 38.8,49.2 v1(39.5,48.5)
UP_N: pad.8@39,50.379 pad.8@61.927,55.797 U4.6 U401.9 | length 35
  Top Layer w0.221: U4.6@37.275,49.2 39.034,49.2 39.313,49.479 39.313,51.213 41.379,53.279 61.712,53.279 61.823,53.279 ccw(c61.823,53.517) 62.06,53.517 62.06,53.62 cw(c62.297,53.62) 62.297,53.857 cw(c62.297,53.62) 62.535,53.62 62.535,53.517 ccw(c62.772,53.517) 62.772,53.279 63.279,53.279 63.754,53.754 63.9,53.9 63.9,55.3 63.184,56.016 61.848,56.016 61.673,55.841 61.673,55.73 61.497,55.555 U401.9@61.15,55.555
UP_P: pad.8@39.975,50.372 pad.8@61.931,56.58 U4.4 U401.10 | length 35
  Top Layer w0.221: U4.4@41.725,48.7 40.545,48.7 39.66,49.584 39.66,51.069 41.523,52.932 63.423,52.932 64.248,53.756 64.248,55.444 63.328,56.364 61.848,56.364 61.673,56.539 61.673,56.65 61.497,56.825 U401.10@61.15,56.825
UPin_IN_N: J2.2 Rb1.1 TP23.1 U5.3 | length 17.4
  Top Layer w0.254: U5.3@106.45,111.875 106.45,111.425 106.937,110.938 109.489,110.938 110.019,111.469 110.447,111.897 ccw(c110.268,112.077) 110.447,112.256 110.297,112.406 cw(c110.477,112.586) 110.297,112.766 cw(c110.477,112.586) 110.657,112.766 110.807,112.615 ccw(c110.986,112.795) 111.166,112.615 ccw(c110.986,112.795) 111.166,112.975 111.016,113.125 cw(c111.195,113.304) 111.016,113.484 ; J2.2@108.8,115.2 108.872,115.2 109.618,115.946 111.204,115.946 112.151,115 112.151,113.786 112.151,113.6 111.884,113.334 cw(c111.705,113.514) 111.525,113.334 111.375,113.484 ; 111.016,113.484 cw(c111.195,113.304) 111.375,113.484
  Top Layer w0.286: Rb1.1@104.084,111.934 Rb1.1@104.05,111.9 TP23.1@105.4,111.9 106.425,111.9 U5.3@106.45,111.875
UPin_IN_P: J2.3 Rb2.1 TP22.1 U5.4 | length 16.6
  Top Layer w0.254: U5.4@106.45,109.725 106.45,110.122 106.885,110.557 109.646,110.557 112.532,113.443 112.532,115.157 111.362,116.327 109.673,116.327 J2.3@108.8,117.2
  Top Layer w0.286: Rb2.1@104.05,109.7 TP22.1@105.4,109.7 106.425,109.7 U5.4@106.45,109.725 ; J2.3@108.8,117.2 J2.3@108.836,117.2
USB4_OUT_N: J1.2 pad.8@39.079,63.778 pad.8@54.843,56.551 U3.3 U401.7 | length 25.2
  Top Layer w0.221: J1.2@37.582,64.27 38.405,63.448 44.944,63.448 ; 40.05,63.47 U3.3@40.05,64.35 ; 44.96,63.432 45.9,62.492 45.9,57.864 47.421,56.343 54.574,56.343 54.782,56.551 pad.8@54.843,56.551 ; pad.8@54.75,56.644 54.859,56.752 55.23,56.752 55.303,56.825 U401.7@55.65,56.825
  Top Layer w0.286: U401.7@55.623,56.798 U401.7@55.65,56.825
USB4_OUT_P: J1.3 pad.8@39.088,62.782 pad.8@54.837,55.777 U3.4 U401.8 | length 25.2
  Top Layer w0.221: J1.3@37.582,62.27 38.412,63.1 40,63.1 ; U3.4@40.05,62.2 40.006,62.244 40.006,63.094 40,63.1 ; pad.8@54.837,55.777 54.786,55.777 54.568,55.995 49.036,55.995 48.558,55.995 48.558,55.963 48.083,55.963 48.083,55.995 47.498,55.995 47.277,55.995 45.552,57.72 45.552,62.348 44.8,63.1 40,63.1 ; pad.8@54.872,55.813 55.13,55.555 U401.8@55.65,55.555
VBST_3V3: C205.1 U201.6 | length 1.5
  Top Layer w0.254: C205.1@87.394,50.719 C205.1@87.402,50.712
  Top Layer w0.6: U201.6@87.156,49.473 87.33,49.473 87.335,49.478 87.335,50.644 87.402,50.712 C205.1@87.41,50.719
VBST_5V: C200.1 U200.6 | length 1.5
  Top Layer w0.254: C200.1@87.594,66.419 C200.1@87.602,66.412
  Top Layer w0.6: U200.6@87.356,65.173 87.53,65.173 87.535,65.178 87.535,66.344 87.602,66.412 C200.1@87.61,66.419
VFB_3V3: R214.1 R215.2 U201.4 | length 3.9
  Top Layer w0.254: U201.4@87.156,47.573 U201.4@87.473,47.573 ; R214.1@87.641,45.805 R214.1@87.641,45.905 87.641,47.405 U201.4@87.473,47.573 ; R215.2@89.229,47.57 89.226,47.573 U201.4@87.473,47.573
VFB_5V: R201.1 R202.2 U200.4 | length 3.9
  Top Layer w0.254: U200.4@87.356,63.273 U200.4@87.673,63.273 ; R201.1@87.841,61.505 R201.1@87.841,61.605 87.841,63.105 U200.4@87.673,63.273 ; R202.2@89.429,63.27 89.426,63.273 U200.4@87.673,63.273
pads on no net: J100. J100.A2 J100.A3 J100.A5 J100.A6 J100.A8 J100.A9 J100.C16 P1_CANA.3 P1_CANA.7 P1_CANA.8 P1_CANA.9 P1_CANA.10 P1_CANB.3 P1_CANB.7 P1_CANB.8 P1_CANB.9 P1_CANB.10 P1_CANC.3 P1_CANC.7 P1_CANC.8 P1_CANC.9 P1_CANC.10 U1_CANA.2 U1_CANA.3 U1_CANA.4 U1_CANA.12 U1_CANA.13 U1_CANA.14 U1_CANA.15 U1_CANA.16 U1_CANA.17 U1_CANA.18 U1_CANA.19 U1_CANA.20 U1_CANA.21 U1_CANA.22 U1_CANA.29 U1_CANA.38 U1_CANA.39 U1_CANA.40 U1_CANA.41 U1_CANB.2 U1_CANB.3 U1_CANB.4 U1_CANB.12 U1_CANB.13 U1_CANB.14 U1_CANB.15 U1_CANB.16 U1_CANB.17 U1_CANB.18 U1_CANB.19 U1_CANB.20 U1_CANB.21 U1_CANB.22 U1_CANB.29 U1_CANB.38 U1_CANB.39 U1_CANB.40 U1_CANB.41 U1_CANC.2 U1_CANC.3 U1_CANC.4 U1_CANC.12 U1_CANC.13 U1_CANC.14 U1_CANC.15 U1_CANC.16 U1_CANC.17 U1_CANC.18 U1_CANC.19 U1_CANC.20 U1_CANC.21 U1_CANC.22 U1_CANC.29 U1_CANC.38 U1_CANC.39 U1_CANC.40 U1_CANC.41 U2_CANA.5 U2_CANB.5 U2_CANC.5 U3.1 U3.6 U5.1 U5.6 U6.1 U6.5 U6.6

## Polygon pours and split planes (outlines as drawn)
GND on Top Layer "NONET_L01_P-001" (solid, pour order 97): 115.6,74.2 115.6,42.672 94.84,42.672 92.8,40.632 92.8,27 25,27 24.9,27.1 24.9,38 67.05,38 67.05,74.2
12V_FUSED on Top Layer "NONET_L01_P-001" (solid, pour order 84): 85.311,46.472 83.806,46.472 80.9,43.566 80.9,40.6 83.2,40.6 83.2,38.7 84.6,38.7 84.6,40.7 90.7,40.7 90.7,38 92.356,38 94.5,40.144 94.5,58.9 92.7,60.7 85.508,60.7 85.508,62.182 84.082,62.182 81.149,59.249 80.6,58.7 84.516,58.7 90.7,58.7 91.9,57.5 91.9,42.8 85.311,42.8
12V_UNPROTECTED on Top Layer "VIN_FISE" (solid, pour order 80): 90.2,40.5 90.2,29.5 85.1,29.5 85.1,40.5
5v on Top Layer "DIODE5v" (solid, pour order 103): 45.5,71.5 45.5,66.9 51.1,66.9 51.1,71.5
5v on Top Layer "5V_out" (solid, pour order 60): 82.11,69.019 78.71,69.019 78.71,67.019 82.11,67.019
5v on Top Layer "5V_out2" (solid, pour order 72): 80.51,72.6 80.51,70.519 85.41,70.519 85.41,72.6
NetD1_1 on Top Layer "USBOUTPUT" (solid, pour order 104): 42.3,71.5 42.3,66.9 39.8,66.9 38.6,65.7 36.5,65.7 36.5,67.7 36.6,67.8 38.3,67.8 39.3,68.8 39.3,71.5
3,3V on Top Layer "3V3_out2" (solid, pour order 36): 80.31,56.9 80.31,54.819 85.2,54.819 85.2,56.9
3,3V on Top Layer "3V3_out" (solid, pour order 35): 81.91,53.319 78.51,53.319 78.51,51.319 81.91,51.319
3v3_VIN on Top Layer "3V3_BUCK_vin" (solid, pour order 37): 85.31,47.919 77.21,47.919 76.391,47.1 71.4,47.1 71.4,43.7 80.891,43.7 83.81,46.619 85.31,46.619
SW_3V3 on Top Layer "SW3v3_top" (solid, pour order 42): 71.4,49.8 76.8,49.8 76.8,47.8 76.4,47.4 71.4,47.4
GND on Top Layer "GND_3v3_buck_top" (solid, pour order 58): 71.4,51.1 71.4,50 77.1,50 77.1,49.2 85.3,49.2 85.5,49.4 85.5,53.142 85.337,53.305 82.192,53.305 82.192,51.108 82.184,51.1 76.3,51.1
GND on Top Layer "GND_5v_buck_TOP" (solid, pour order 59): 71.4,54.7 76.7,54.7 76.7,56.8 71.4,56.8
5v_VIN on Top Layer "3V3_BUCK_vin" (solid, pour order 73): 85.51,63.619 77.41,63.619 76.691,62.9 71.6,62.9 71.6,58.7 80.391,58.7 84.01,62.319 85.51,62.319
SW_5V on Top Layer "SW5v_top" (solid, pour order 75): 71.6,65.5 77,65.5 77,63.5 76.6,63.1 71.6,63.1
GND on Top Layer "GND_5v_buck_TOP" (solid, pour order 79): 71.6,70.4 76.9,70.4 76.9,72.5 71.6,72.5
GND on Bottom Layer "NONET_L01_P-001" (solid, pour order 98): 115.6,74.15 115.6,45.4 100.4,45.4 92.8,37.8 92.8,27 25,27 24.9,27.1 24.9,38 67.1,38 67.1,74.15
5v on Bottom Layer "DIODE5v" (solid, pour order 102): 45.5,71.5 45.5,66.9 51.1,66.9 51.1,71.5
5v on Bottom Layer "5v_OUT_BTM" (solid, pour order 61): 82.11,67.019 82.11,70.519 83.61,70.519 83.61,72.6 80.51,72.6 80.51,69.019 78.71,69.019 78.71,67.019
5v_VIN on Bottom Layer "5v_vin_bottom" (solid, pour order 92): 79.5,62.9 79.5,58.7 71.6,58.7 71.6,62.9
3v3_VIN on Bottom Layer "3v3_VINBOTTM" (solid, pour order 91): 76.4,47.1 75.7,46.4 71.4,46.4 71.4,43.7 79.7,43.7 79.7,47 79.6,47.1
12V_FUSED on Bottom Layer "3v3_VIN" (solid, pour order 90): 83.8,47.1 80.9,44.2 80.9,42.8 85.8,42.8 85.8,47.1
12V_FUSED on Bottom Layer "5v_VIN_bottom" (solid, pour order 87): 84.3,62.7 87,62.7 87,58.7 86.999,58.701 80.767,58.701 80.767,58.717 84.3,62.251
3,3V on Bottom Layer "3V3_OUT_BTM" (solid, pour order 29): 81.91,51.319 81.91,54.819 83.41,54.819 83.41,56.9 80.31,56.9 80.31,53.319 78.51,53.319 78.51,51.319
SW_3V3 on Bottom Layer "SW_3v3_buck" (solid, pour order 38): 85.31,49.619 85.31,47.419 73.51,47.419 73.51,49.719
GND on Bottom Layer "GND_buck3v3_bottom" (solid, pour order 43): 71.4,56.8 76.7,56.8 76.7,50.1 71.4,50.1
SW_5V on Bottom Layer "SW_5v_buck" (solid, pour order 74): 85.51,65.419 85.51,63.119 73.71,63.119 73.71,65.419
GND on Bottom Layer "GND_buck5v_bottom" (solid, pour order 76): 71.6,72.5 76.9,72.5 76.9,65.8 71.6,65.8
3,3V on Mid Layer 2 "3v3plane" (solid, pour order 101): 25,113.6 25,74.8 119.5,74.8 119.5,113.6
5v on Mid Layer 2 "Mid Layer 2-5v" (solid, pour order 108): 24.9,38.4 68.1,38.4 68.1,69 78.7,69 78.7,67 83.9,67 83.9,74.2 24.9,74.2
3,3V on Mid Layer 2 "3v3" (solid, pour order 109): 80.3,57 88.8,57 90.7,58.9 90.7,74.8 92.9,74.8 92.9,57.8 89.9,54.8 80.3,54.8
GND on Mid Layer 1 "Groundplane" (solid, pour order 99): 25,126.744 25.001,126.743 125.002,126.743 125.002,27.002 125,27 24.9,27

## Other copper
Top Layer:
  pour cut-out: 117.467,29.174 ccw(c119.407,29.174) 119.407,27.234 ccw(c119.407,29.174) 121.347,29.174 ccw(c119.407,29.174) 119.407,31.114 ccw(c119.407,29.174)
  pour cut-out: 28.56,29.16 ccw(c30.5,29.16) 30.5,27.22 ccw(c30.5,29.16) 32.44,29.16 ccw(c30.5,29.16) 30.5,31.1 ccw(c30.5,29.16)
Mid Layer 1:
  pour cut-out: 28,32 28,27 33.2,27 33.2,32
  pour cut-out: 116.7,32 116.7,27 121.9,27 121.9,32
Bottom Layer:
  pour cut-out: 32.4,29.204 cw(c30.46,29.204) 30.46,27.264 cw(c30.46,29.204) 28.52,29.204 cw(c30.46,29.204) 30.46,31.144 cw(c30.46,29.204)
  pour cut-out: 121.375,29.134 cw(c119.435,29.134) 119.435,27.194 cw(c119.435,29.134) 117.495,29.134 cw(c119.435,29.134) 119.435,31.074 cw(c119.435,29.134)
Multi-Layer:
  pour cut-out: 30.534,51.146 cw(c28.983,51.772) 27.311,51.758 cw(c28.981,51.758) 28.981,53.427 cw(c28.995,51.767)
  pour cut-out: 30.553,109.118 cw(c29.003,109.745) 27.331,109.73 cw(c29,109.731) 29,111.4 cw(c29.014,109.74)

## Silkscreen, mask and mechanical layers (free items; w line width, h text height)
Top Overlay:
  drawing of 127 lines, arcs and shapes, not listed
  text "RST" at 40.383,117.813 h0.8
  text "B0" at 53.245,117.813 h0.8
  text "B1" at 65.617,117.813 h0.8
  text "ARIADNA MODULAR SYSTEM" at 32.766,110.269 h4
  text "USB" at 117.09,110.019 h4.5
  text "CAN C" at 46.455,105.733 h4
  text "CAN B" at 77.499,105.733 h4
  text "CAN A" at 109.426,103.411 h4
  text "NOTE:" at 108.25,85.7 h1.52
  text "ESD" at 71.882,81.026 h0.8
  text "SENSETIVE" at 71.882,79.756 h0.8
  text "DEVICE" at 71.882,78.486 h0.8
  text "SWD PINS ARE NOT CONNECTED TO VCC. TO PROGRAM MCU CONNECT EXTERNAL POWER TO BOARD" at 108.2,77.9 h0.8
  text "USB2.1" at 26.695,73.642 h5
  text "5V" at 84.954,71.254 h0.8
  text "VIN FUSE" at 91.948,58.42 h1.4 r270
  text "3v3" at 84.654,55.754 h0.8
  text "12V_VIN" at 69.854,38.887 h0.8
Bottom Overlay:
  drawing of 206 lines, arcs and shapes, not listed
  text "BLOCK DIAGRAM" at 66.4,109.633 h4
  text "CAN C" at 82.747,108.943 h1.52
  text "JSOS MNT" at 111.946,107.754 h1
  text "JSOS MNT" at 28.146,107.246 h1 r90
  text "USB" at 39.046,106.304 h1.52
  text "UPPER" at 82.746,106.054 h1.52
  text "IN2" at 38.946,103.954 h1.52
  text "N/C" at 109.246,103.854 h0.8
  text "GND" at 113.246,103.854 h0.8
  text "NRST" at 105.346,103.754 h0.8
  text "N/C" at 117.346,103.754 h0.8
  text "N/C" at 121.446,103.754 h0.8
  text "VBUS" at 43.646,103.004 h0.8
  text "SWCK" at 105.346,101.554 h0.8
  text "SWIO" at 109.446,101.554 h0.8
  text "CAN B" at 82.747,101.443 h1.52
  text "GND" at 113.246,101.454 h0.8
  text "N/C" at 117.346,101.454 h0.8
  text "N/C" at 121.446,101.454 h0.8
  text "USB4" at 40.146,99.454 h0.8
  text "USB3" at 46.71,99.444 h0.8
  text "USB2" at 53.81,99.444 h0.8
  text "IDC10 PINOUT" at 122.246,98.554 h1.52
  text "MIDDLE" at 83.246,98.354 h1.52
  text "CANA" at 54.646,96.954 h1.22
  text "CANC" at 41.046,96.854 h1.22
  text "CANB" at 47.846,96.854 h1.22
  text "ARIADNA MODULAR SYSTEM" at 121.2,95 h0.8
  text "CAN A" at 82.746,93.954 h1.52
  text "USB" at 40.846,93.654 h1.52
  text "USB" at 47.646,93.654 h1.52
  text "USB" at 54.546,93.654 h1.52
  text "TRIPLE USB2CAN" at 121.155,92.928 h0.8
  text "2" at 39.246,91.654 h1.52
  text "2" at 46.046,91.654 h1.52
  text "2" at 52.946,91.654 h1.52
  text "REV:B" at 121.246,91.454 h0.8
  text "LOWER" at 82.746,90.854 h1.52
  text "Project Author:" at 121.079,89.867 h0.8
  text "CAN" at 40.746,89.454 h1.52
  text "CAN" at 47.546,89.454 h1.52
  text "CAN" at 54.446,89.454 h1.52
  text "ARTEM HORIUNOV" at 121.053,88.458 h0.8
  text "QC" at 121.13,86.934 h0.8
  text "SW" at 60.559,81.976 h0.8
  text "HUB" at 53.121,81.36 h1.52
  text "DESIGNED IN POLAND" at 118.793,80.711 h0.7
  text "D2" at 65.346,80.154 h0.8
  text "MUX" at 62.146,79.254 h0.8
  text "USB1" at 33.646,78.054 h0.8
  text ".ModifiedDate" at 121.13,78.044 h2
  text "D1" at 60.463,77.213 h0.8
  text "USB" at 34.246,75.454 h1.52
  text "USB" at 64.046,73.354 h1.52
  text "OUT" at 34.246,73.254 h1.52
  text "IN1" at 63.746,71.154 h1.52
  text "JSOS MNT" at 117.254,54.254 h1 r270
  text "JSOS MNT" at 34.746,47.254 h1
Top Solder:
  region: 87.94,95.902 87.937,95.899 87.937,95.079 87.243,95.079 87.24,95.083 87.24,95.912
  region: 119.988,95.809 119.985,95.806 119.985,94.987 119.291,94.987 119.287,94.99 119.287,95.82
  region: 62.269,56.63 62.188,56.549 61.576,56.549 61.576,55.77 61.574,55.768 61.598,55.743 62.269,55.743
  region: 55.186,56.626 55.105,56.546 54.493,56.546 54.493,55.766 54.491,55.764 54.515,55.74 55.186,55.74
  region: 105.347,42.169 104.745,41.568 104.754,41.568 105.242,41.08 105.87,41.709
  region: 112.836,42.349 112.836,41.535 112.142,41.535 112.135,41.542 112.135,42.346
  region: 99.374,42.449 99.374,41.635 98.68,41.635 98.674,41.641 98.674,42.446
  region: 56.972,96.432 57.53,95.874 57.035,95.378 56.718,95.682 56.438,95.975 56.438,95.99
Mechanical 1:
  lines w0.025: 25,126.746 25,27 125,27 125,126.746
Board Shape:
  circle w0.013: c29,109.753 r1.375
  circle w0.013: c115,109.753 r1.375
  circle w0.013: c115,51.753 r1.375
  circle w0.013: c29,109.753 r1.375
  circle w0.013: c115,51.753 r1.375
  circle w0.013: c115,109.753 r1.375
  circle w0.013: c29,51.753 r1.375
  circle w0.013: c29,51.753 r1.375

## Text inside footprints (layer, text, board x,y; h text height)
J1: Mechanical 2 "PCB Edge" at 23.372,65.47 h0.81 r270